# Altium PCB MB1605.PcbDoc (part 9 of 11)
Units mm, origin at the board's own origin, x right, y up, seen from the top; angles counter-clockwise.
Board outline 100 x 79.6 mm, 6 copper layers (Top Layer, Signal Layer 1, Signal Layer 2, Signal Layer 3, Signal Layer 4, Bottom Layer), stack 1.549 mm thick; 644 components, 529 nets, 2853 pads, 1462 vias.
Unrouted connection lines stored in the file: 2.
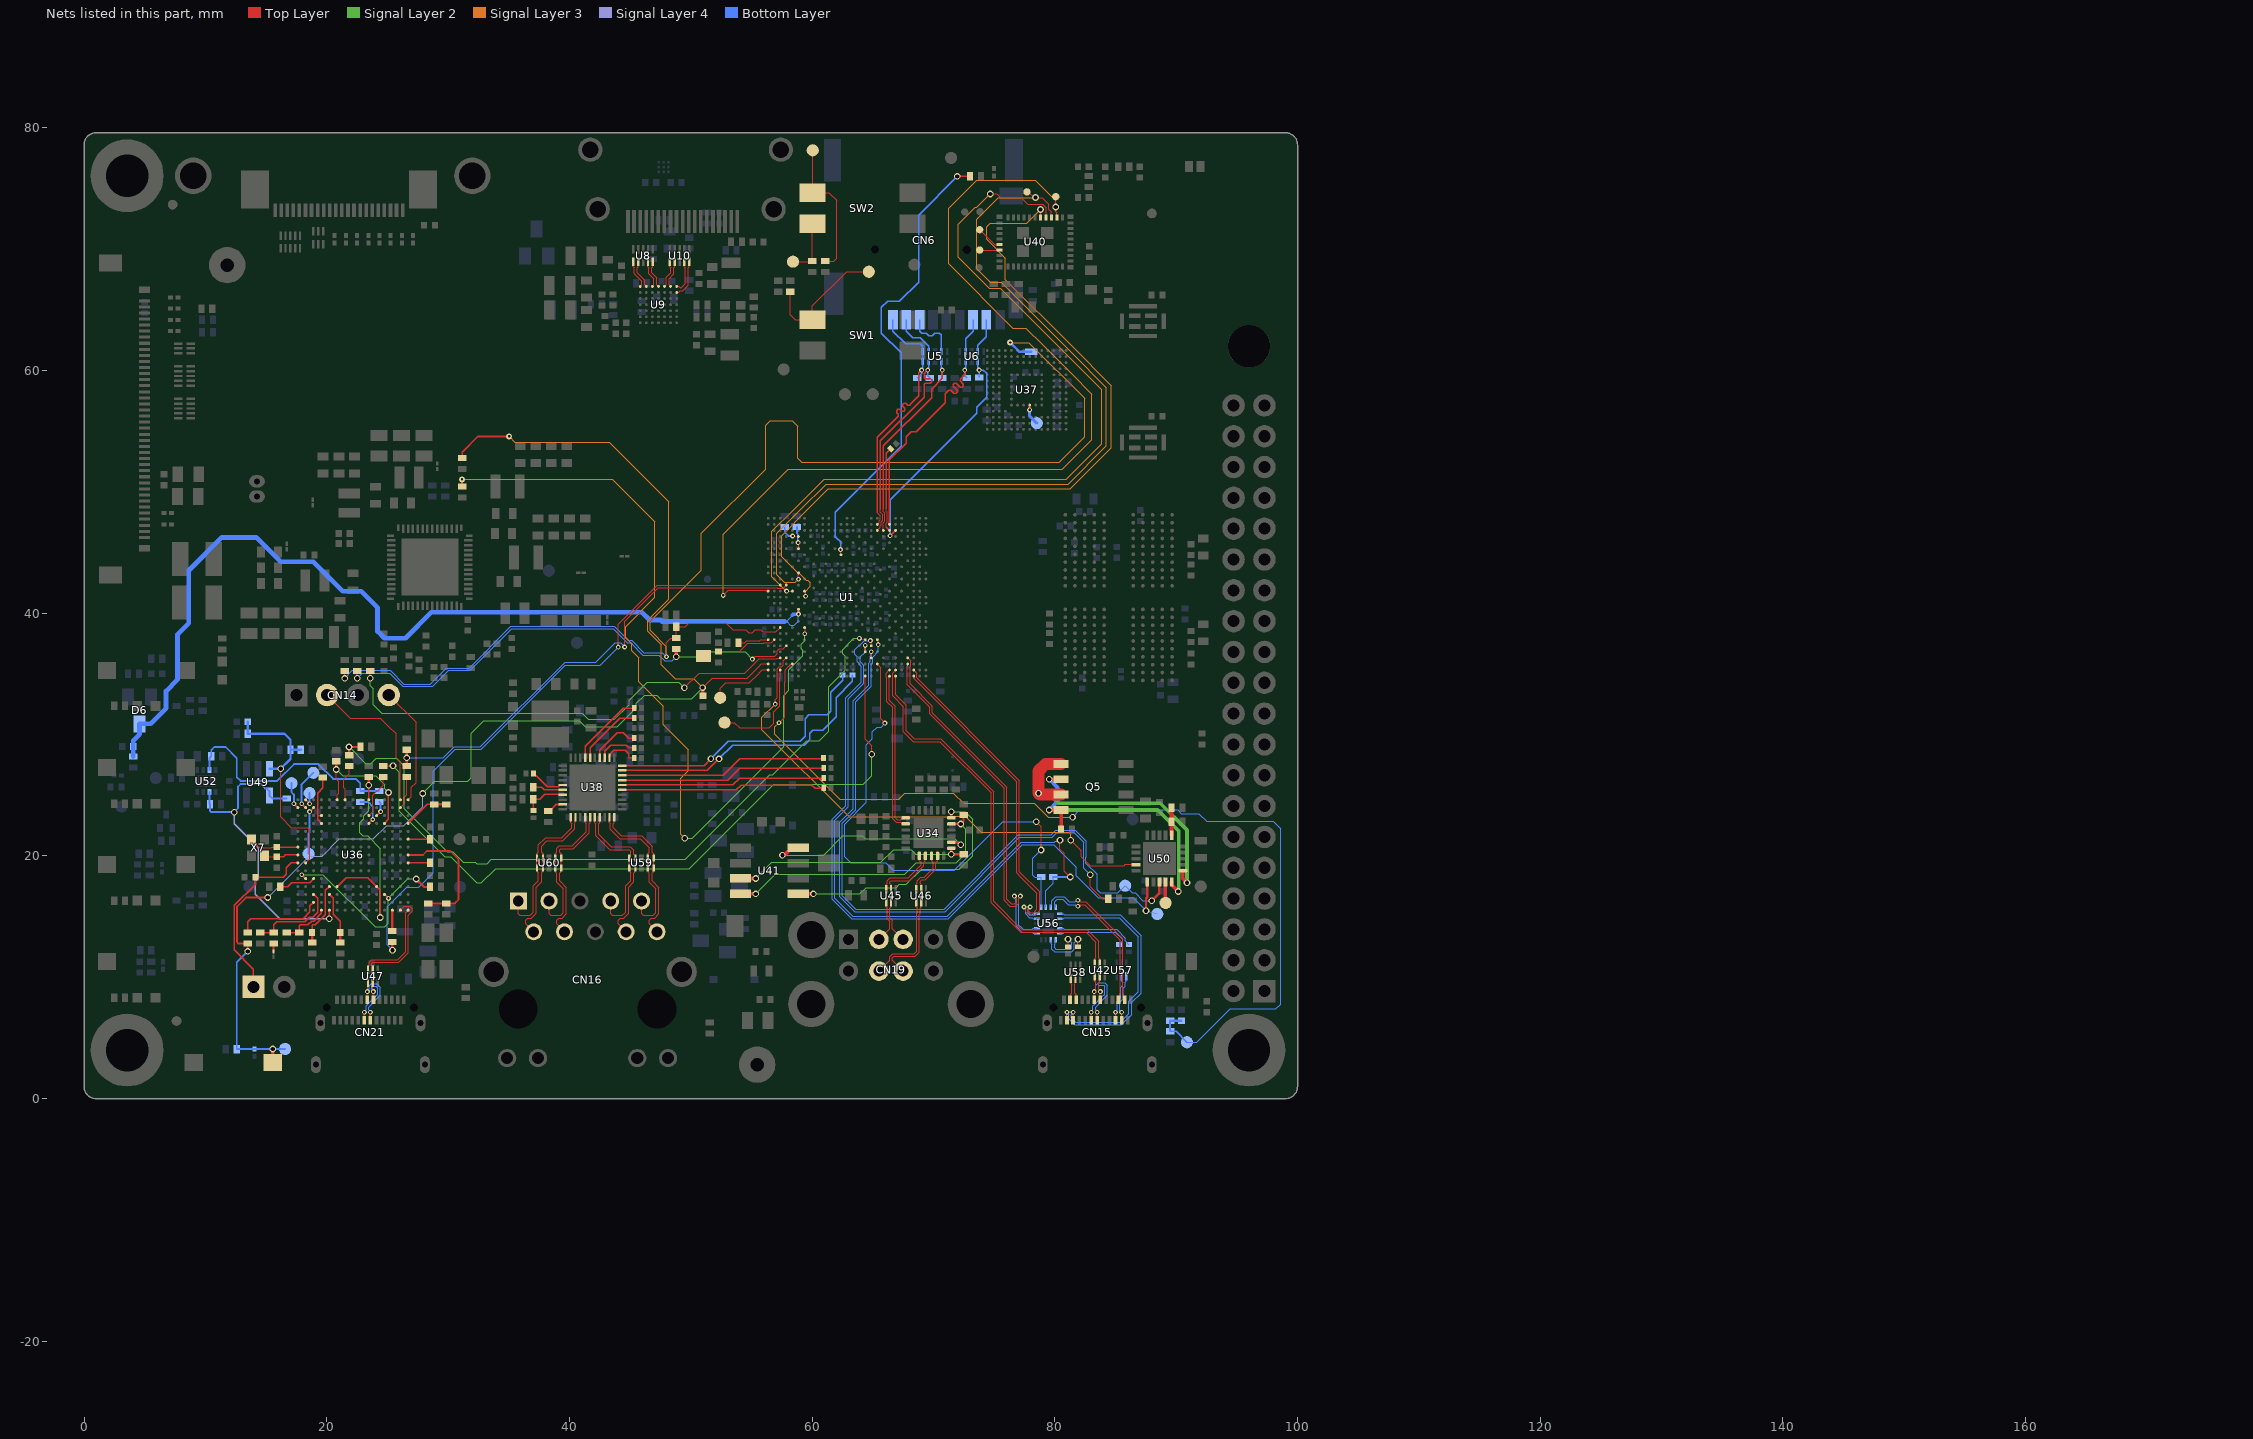
[diagram p13: the nets of this part, all layers, seen from the top]

## Via types
v1: diameter 0.55, hole 0.35, Top Layer to Bottom Layer, 823 vias
v2: diameter 0.4, hole 0.2, Top Layer to Bottom Layer, 235 vias
v3: diameter 0.4, hole 0.2, Top Layer to Bottom Layer, tented both sides, 216 vias
v4: diameter 0.5, hole 0.2, Top Layer to Bottom Layer, 159 vias
v5: diameter 0.25/0.3 (per signal layer), hole 0.1, Top Layer to Signal Layer 1, tented both sides, 29 vias

## Nets (pads, with @x,y where several pads share a name; then routed paths per layer and width w, separated by ;. In a path a pad name is that pad's centre, name@x,y a point inside that pad or via, vN(x,y) a via of type N, cw(c..) or ccw(c..) an arc to the next point about the centre after c; other vN are vias at no path point) (continued)
NetR121_2: R121.2 U38.24 | length 4.2
  Top Layer w0.11: U38.24@42.5,28.1 42.5,28.725 43.925,30.15 44.45,30.15 44.88,29.72 R121.2@45.345,29.72
NetR122_1: R122.1 SW1.3 TP24.1 | length 10.8
  Top Layer w0.1: R122.1@58.2,66.5 58.2,64.618 58.623,64.195 SW1.3@60.025,64.195 60.025,65.335 62.833,68.143 TP24.1@64.675,68.143
NetR123_1: R123.1 SW2.3 TP44.1 | length 11.5
  Top Layer w0.1: TP44.1@60.05,78.15 60.05,74.67 SW2.3@60.025,74.645 61.38,74.645 62.01,74.015 62.01,69.259 61.776,69.025 R123.1@61.1,69.025
NetR124_1: R124.1 SW2.4 TP31.1 | length 4.7
  Top Layer w0.1: TP31.1@58.425,68.975 59.975,68.975 R124.1@60.025,69.025 SW2.4@60.025,72.105
NetR147_2: R147.2 U38.23 | length 3.3
  Top Layer w0.11: U38.23@42.9,28.1 42.9,28.625 43.4,29.125 44.7,29.125 44.927,28.898 R147.2@45.345,28.898
NetR148_2: R148.2 U38.22 | length 2.9
  Top Layer w0.11: U38.22@43.3,28.1 43.3,28.35 43.345,28.395 43.381,28.395 43.445,28.459 43.445,28.514 43.636,28.705 44.147,28.705 44.595,28.705 44.868,28.432 44.868,28.146 44.933,28.082 45.327,28.082 R148.2@45.344,28.065
NetR149_2: R149.2 U38.27 | length 6.3
  Top Layer w0.11: U38.27@41.3,28.1 41.3,29.05 44.435,32.185 R149.2@45.345,32.185
NetR150_2: R150.2 U38.26 | length 5.5
  Top Layer w0.11: U38.26@41.7,28.1 41.7,28.925 44.14,31.365 R150.2@45.345,31.365
NetR155_2: R155.2 U36.B14 | length 2.7
  Top Layer w0.1: U36.B14@26.065,23.982 26.39,24.307 26.39,24.832 26.59,25.032 R155.2@26.59,26.507
NetR156_1: R156.1 U36.C4 U36.D4 | length 4.4
  Top Layer w0.12: U36.D4@19.565,22.682 19.24,23.007 19.24,23.332 ; U36.C4@19.565,23.332 19.24,23.332 ; R156.1@19.69,26.457 19.69,25.607 19.24,25.157 19.24,23.332
NetR161_2: R161.2 U38.20 | length 23.3
  Top Layer w0.11: U38.20@44.35,27.45 51.099,27.45 v1(51.656,28.007)
  Bottom Layer w0.11: v1(51.656,28.007) 53.099,29.449 59.037,29.449 59.434,29.846 59.434,31.012 59.426,31.02 59.426,31.326 59.723,31.623 61.229,31.623 61.525,31.919 61.525,33.498 62.506,34.479 R161.2@62.506,34.925
NetR164_2: R164.2 U38.19 | length 23.8
  Top Layer w0.11: U38.19@44.35,27.05 51.374,27.05 v1(52.322,27.998)
  Bottom Layer w0.11: v1(52.322,27.998) 53.449,29.125 59.331,29.125 59.784,29.578 59.784,30.104 60.055,30.375 60.888,30.375 61.981,31.469 61.981,33.039 63.319,34.377 R164.2@63.319,34.925
NetR167_2: R167.2 U38.18 | length 17.2
  Top Layer w0.11: U38.18@44.35,26.65 46.627,26.65 52.666,26.65 54.023,28.007 60.887,28.007 R167.2@60.945,28.065
NetR173_2: R173.2 U38.17 | length 17
  Top Layer w0.11: U38.17@44.35,26.25 53.044,26.25 54.034,27.24 R173.2@60.96,27.24
NetR176_2: R176.2 U38.35 | length 3
  Top Layer w0.11: R176.2@37.025,26.8 37.025,26.75 37.17,26.605 37.256,26.605 38.156,25.705 39.091,25.705 39.155,25.769 39.155,25.805 39.2,25.85 U38.35@39.45,25.85
NetR178_2: R178.2 U38.16 | length 16.8
  Top Layer w0.11: U38.16@44.35,25.85 53.462,25.85 54.027,26.415 R178.2@60.96,26.415
NetR181_1: R181.1 U36.F15 | length 1.8
  Top Layer w0.12: U36.F15@26.715,21.382 R181.1@28.515,21.382
NetR182_2: R182.2 U38.36 | length 2.5
  Top Layer w0.11: R182.2@37.025,25.675 37.7,25.675 37.925,25.45 U38.36@39.45,25.45
NetR185_2: R185.2 U38.15 | length 16.9
  Top Layer w0.11: U38.15@44.35,25.45 53.752,25.45 54.149,25.847 59.983,25.847 60.24,25.59 R185.2@60.96,25.59
NetR188_2: R188.2 R196.2 U38.37 | length 4.5
  Top Layer w0.11: U38.37@39.45,25.05 39.45,25.08 37.955,25.08 37.55,24.675 R188.2@37.025,24.675 ; R188.2@37.025,24.675 R196.2@37.025,23.75 R188.2@37.025,24.675
NetR194_1: R194.1 U36.J15 | length 1.8
  Top Layer w0.12: U36.J15@26.715,19.432 R194.1@28.515,19.432
NetR199_1: R199.1 U38.39 | length 1.4
  Top Layer w0.15: R199.1@38.275,23.7 38.37,23.7 38.92,24.25 U38.39@39.45,24.25
NetR211_2: R211.2 U36.R13 | length 1.7
  Top Layer w0.2: R211.2@25.415,13.812 U36.R13@25.415,15.532
NetR212_1: R212.1 U36.P3 | length 7.3
  Top Layer w0.12: R212.1@13.49,13.682 13.49,14.582 13.74,14.832 18.05,14.832 18.615,15.397 18.615,15.882 U36.P3@18.915,16.182
NetR231_1: R231.1 R232.2 U50.11 | length 2.3
  Top Layer w0.3: U50.11@89.613,21.723 89.613,22.848 R232.2@89.613,24.003
NetR240_1: R240.1 R241.1 R242.1 U52.7 | length 19.6
  Bottom Layer w0.15: U52.7@10.336,27.077 10.336,28.067 R242.1@10.486,28.217 10.486,28.723 10.745,28.982 11.665,28.982 12.586,28.061 12.586,26.503 12.904,26.186 15.912,26.186 17.302,27.575 19.3,27.575 20.521,26.354 22.393,26.354 22.765,25.982 R241.1@22.765,25.35 R240.1@24.335,25.35
NetR250_1: R250.1 U1.D6 | length 1.7
  Top Layer w0.1: v3(58.396,46.369) U1.D6@58.875,46.325
  Bottom Layer w0.15: R250.1@57.744,47.12 57.744,46.681 58.055,46.369 v3(58.396,46.369)
NetR251_1: R251.1 U1.F6 | length 1.8
  Top Layer w0.1: v3(58.85,45.825) U1.F6@58.875,45.325
  Bottom Layer w0.15: R251.1@58.751,47.12 58.751,46.59 58.81,46.531 58.81,45.865 v3(58.85,45.825)
NetTP12_1: TP12.1 U1.AF1 | length 5.4
  Top Layer w0.09: 55.625,35.07 55.645,35.09 55.652,35.09 55.887,35.325 U1.AF1@56.375,35.325
  Top Layer w0.1: TP12.1@52.427,33.031 52.427,33.809 52.875,34.258 54.813,34.258 55.625,35.07
NetTP14_1: TP14.1 U40.18 | length 1.6
  Top Layer w0.1: TP14.1@73.81,69.925 U40.18@75.45,69.925
NetTP20_1: TP20.1 U40.17 | length 2.2
  Top Layer w0.1: TP20.1@73.81,71.607 75.042,70.375 U40.17@75.45,70.375
NetTP21_1: TP21.1 U37.H5 | length 1.7
  Top Layer w0.15: v2(77.925,56.755) U37.H5@77.925,57.155
  Bottom Layer w0.25: v2(77.925,56.755) 77.925,56.256 TP21.1@78.516,55.665
NetTP26_1: TP26.1 U36.B2 | length 3.4
  Top Layer w0.15: v3(17.94,24.307) U36.B2@18.265,23.982
  Bottom Layer w0.15: v3(17.94,24.307) 17.915,24.332 17.915,25.865 TP26.1@18.9,26.85
NetTP27_1: TP27.1 U36.B3 | length 4
  Top Layer w0.15: v3(18.59,23.657) U36.B3@18.915,23.982
  Bottom Layer w0.15: TP27.1@18.505,20.182 18.505,21.877 18.59,21.962 v3(18.59,23.657)
NetTP28_1: TP28.1 U36.B1 | length 2.2
  Top Layer w0.15: v3(17.29,24.307) U36.B1@17.615,23.982
  Bottom Layer w0.15: TP28.1@17.098,26 17.098,25.25 17.29,25.057 v3(17.29,24.307)
NetTP29_1: TP29.1 U36.A2 | length 1.3
  Top Layer w0.15: U36.A2@18.265,24.632 v3(18.59,24.307)
  Bottom Layer w0.15: v3(18.59,24.307) TP29.1@18.59,25.182
NetTP38_1: TP38.1 U50.4 | length 1.7
  Top Layer w0.3: TP38.1@89.113,16.144 U50.4@89.113,17.873
NJTRST: TP42.1 U1.AF3 | length 9
  Top Layer w0.09: 57.325,34.075 57.325,34.605 57.375,34.655 U1.AF3@57.375,35.325
  Top Layer w0.1: TP42.1@52.78,30.993 53.598,30.993 54.023,30.568 56.469,30.568 56.837,30.936 56.837,31.895 57.325,32.383 57.325,34.075
NRST: B1.1 C33.2 R33.1 R81.1 R212.2 TP22.1 U1.AE1 U15.1 | length 113.5
  Top Layer w0.09: 55.625,35.636 55.814,35.825 U1.AE1@56.375,35.825
  Top Layer w0.1: C33.2@50.975,33.225 C33.2@51,33.2 ; v1(50.975,33.875) 51.758,34.658 54.647,34.658 55.625,35.636
  Top Layer w0.15: v1(13.49,12.137) R212.2@13.49,12.782 12.723,12.782 12.609,12.896 12.609,15.828 13.356,16.575 v1(15.137,16.575) ; R81.1@31.163,52.798 31.163,53.273 32.465,54.575 v4(35.025,54.575)
  Top Layer w0.3: B1.1@15.549,2.979 v1(15.549,4.09) ; C33.2@50.975,33.225 v1(50.975,33.875)
  Signal Layer 2 w0.1: v1(27.92,25.15) 28.92,26.15 31.601,26.15 31.9,26.449 31.9,30.121 32.924,31.145 40.789,31.145 41.284,30.65 43.949,30.65 45.514,32.216 45.514,32.586 46.19,33.261 47.201,33.261 47.49,32.972 50.072,32.972 v1(50.975,33.875)
  Signal Layer 3 w0.1: v4(35.025,54.575) 35.502,54.098 43.277,54.098 48.175,49.2 48.175,41.14 46.442,39.407 46.442,38.529 47.554,37.417 47.554,35.752 48.721,34.586 50.264,34.586 v1(50.975,33.875)
  Signal Layer 4 w0.1: v1(15.137,16.575) 18.553,19.991 19.629,19.991 21.045,21.407 23.829,21.407 24.929,22.507 26.353,22.507 27.92,24.074 v1(27.92,25.15)
  Bottom Layer w0.15: v1(13.49,12.137) 12.586,11.233 R33.1@12.586,4.09 U15.1@14.062,4.09 v1(15.549,4.09) TP22.1@16.565,4.09
NRSTC1MS: D7.2 R27.1 R59.1 R272.1 U1.W3 | length 110.3
  Top Layer w0.09: 56.11,38.46 57.01,38.46 U1.W3@57.375,38.825
  Top Layer w0.1: R59.1@21.48,35.245 21.488,35.237 v1(21.488,34.633) ; v2(47.997,36.42) 47.997,37.566 48.363,37.932 48.782,37.932 R272.1@48.805,37.955 R27.1@48.805,38.872 48.805,38.904 49.542,38.904 49.831,39.194 49.936,39.194 49.938,39.192 50.559,39.192 50.561,39.194 52.93,39.194 53.474,38.65 54.531,38.65 54.787,38.394 55.077,38.394 55.319,38.635 55.764,38.635 55.939,38.46 56.11,38.46
  Signal Layer 3 w0.1: v2(47.997,36.42) 47.997,37.257 46.642,38.611 46.642,39.324 49.196,41.878 49.204,41.878 50.883,43.557 50.883,46.589 56.169,51.875 56.169,55.485 56.534,55.85 58.361,55.85 58.797,55.414 58.797,52.793 59.141,52.45 80.367,52.45 82.45,54.533 82.45,57.701 77.84,62.311 v4(76.32,62.311)
  Bottom Layer w0.1: v1(21.488,34.633) 21.488,34.653 22.123,35.288 25.217,35.288 26.335,34.17 28.515,34.17 29.833,35.488 31.724,35.488 35.146,38.91 43.695,38.91 44.83,37.775 45.122,37.775 46.138,36.759 47.658,36.759 v2(47.997,36.42)
  Bottom Layer w0.2: v4(76.32,62.311) 77.068,61.563 D7.2@78.055,61.563
OSC32_IN: C86.1 U1.AA2 X1.2 | length 6.4
  Top Layer w0.09: 55.625,37.525 56,37.525 56.05,37.575 56.625,37.575 U1.AA2@56.875,37.825
  Top Layer w0.1: X1.2@51.059,36.475 51.434,36.85 53.271,36.85 53.296,36.875 54.052,36.875 54.702,37.525 55.625,37.525
OSC32_OUT: R64.1 U1.AA1 | length 2.5
  Top Layer w0.09: 56.05,37.825 U1.AA1@56.375,37.825
  Top Layer w0.1: R64.1@53.935,37.575 54.436,37.575 54.597,37.735 55.695,37.735 55.784,37.825 56.05,37.825
PMIC_WAKEUPn: R46.1 U1.W7 | length 69.4
  Top Layer w0.09: U1.W7@59.375,38.825 v3(59.387,38.317)
  Top Layer w0.15: R46.1@31.15,50.448 v4(31.15,51.033)
  Signal Layer 2 w0.1: v1(49.5,21.45) 50.111,21.45 57.646,28.985 57.646,33.218 58.075,33.647 58.075,35.343 59.225,36.493 59.225,36.97 59.119,37.076 59.119,37.455 59.387,37.722 v3(59.387,38.317)
  Signal Layer 3 w0.1: v4(31.15,51.033) 43.548,51.033 47.028,47.553 47.028,41.303 44.625,38.9 44.625,37.98 45.132,37.473 45.132,36.893 45.698,36.327 45.698,34.356 47.715,32.34 47.715,30.826 49.774,28.767 49.774,27.012 49.175,26.413 49.175,21.775 v1(49.5,21.45)
PWR_CPU_ON: R60.1 R272.2 U1.AB4 | length 41.5
  Top Layer w0.09: 55.625,36.455 56.215,36.455 56.22,36.46 56.93,36.46 57.125,36.655 57.125,36.929 57.271,37.075 57.625,37.075 U1.AB4@57.875,37.325
  Top Layer w0.095: 55.57,36.455 55.625,36.455
  Top Layer w0.1: v1(22.514,34.64) 22.514,35.229 R60.1@22.53,35.245 ; v2(55.077,36.225) 55.307,36.455 55.57,36.455
  Top Layer w0.3: v1@48.805,36.419 R272.2@48.805,37.055
  Signal Layer 2 w0.1: v1(48.806,36.417) 51.182,36.417 51.598,36.834 54.469,36.834 v2(55.077,36.225)
  Bottom Layer w0.1: v1(22.514,34.64) 22.944,35.07 23.756,35.07 23.781,35.045 25.177,35.045 26.252,33.97 28.742,33.97 30.06,35.288 31.807,35.288 35.229,38.71 43.612,38.71 44.747,37.575 45.039,37.575 46.055,36.559 47.363,36.559 47.852,36.07 48.459,36.07 v1(48.806,36.417)
PWR_ON: R61.1 U1.AD3 | length 39.6
  Top Layer w0.09: 56.084,36.26 57.09,36.26 57.128,36.298 57.348,36.298 U1.AD3@57.375,36.325
  Top Layer w0.1: v1(23.58,34.64) R61.1@23.58,35.245 ; v1(49.475,33.855) 50.678,35.058 54.455,35.058 55.657,36.26 56.084,36.26
  Signal Layer 2 w0.1: v1(23.58,34.64) 23.58,34.015 23.824,33.771 23.824,32.458 24.537,31.745 41.037,31.745 41.532,31.25 43.7,31.25 44.914,32.464 44.914,32.834 46.397,34.317 49.013,34.317 v1(49.475,33.855)
RJ452_D1_N: CN16.2 U38.2 U60.4 U60.7 | length 12.5
  Top Layer w0.09: CN16.2@37.055,13.75 36.4,14.405 36.4,14.695 36.577,14.872 36.856,14.872 37.26,15.276 37.26,17.432 37.7,17.872 37.7,18.597 37.77,18.667 37.77,18.957 U60.7@37.825,19.012 U60.4@37.825,19.832 37.825,20.167 37.7,20.292 37.7,20.815 38.145,21.26 39.46,21.26 40.425,22.225 40.425,22.65 40.5,22.725 U38.2@40.5,23.2
RJ452_D1_P: CN16.1 U38.1 U60.5 U60.6 | length 12.5
  Top Layer w0.09: CN16.1@35.785,16.29 35.785,15.245 35.908,15.122 36.752,15.122 37.01,15.38 37.01,17.536 37.45,17.976 37.45,18.597 37.38,18.667 37.38,18.957 U60.6@37.325,19.012 U60.5@37.325,19.832 37.325,20.167 37.45,20.292 37.45,20.919 38.041,21.51 39.356,21.51 40.175,22.329 40.175,22.65 40.1,22.725 U38.1@40.1,23.2
RJ452_D2_N: CN16.4 U38.5 U60.1 U60.10 | length 12.2
  Top Layer w0.09: CN16.4@39.595,13.75 38.94,14.405 38.94,14.695 39.117,14.872 39.396,14.872 39.75,15.226 39.75,17.389 39.2,17.939 39.2,18.597 39.27,18.667 39.27,18.957 U60.10@39.325,19.012 U60.1@39.325,19.832 39.325,20.167 39.2,20.292 39.2,20.529 39.27,20.599 40.329,20.599 41.625,21.895 41.625,22.65 41.7,22.725 U38.5@41.7,23.2
RJ452_D2_P: CN16.3 U38.4 U60.2 U60.9 | length 12.2
  Top Layer w0.09: CN16.3@38.325,16.29 38.325,15.245 38.448,15.122 39.292,15.122 39.5,15.33 39.5,17.285 38.95,17.835 38.95,18.597 38.88,18.667 38.88,18.957 U60.9@38.825,19.012 U60.2@38.825,19.832 38.825,20.167 38.95,20.292 38.95,20.632 39.166,20.849 40.225,20.849 41.375,21.999 41.375,22.65 41.3,22.725 U38.4@41.3,23.2
RJ452_D3_N: CN16.8 U38.7 U59.4 U59.7 | length 12.7
  Top Layer w0.09: U38.7@42.5,23.2 42.5,22.725 42.425,22.65 42.425,21.779 43.445,20.759 45.014,20.759 45.32,20.452 45.32,20.13 45.373,20.077 45.39,20.077 45.445,20.022 U59.7@45.445,19.012 45.39,18.957 45.39,18.667 45.32,18.597 45.32,17.872 44.88,17.432 44.88,15.276 44.476,14.872 44.197,14.872 44.02,14.695 44.02,14.405 CN16.8@44.675,13.75
RJ452_D3_P: CN16.7 U38.6 U59.5 U59.6 | length 12.7
  Top Layer w0.09: U38.6@42.1,23.2 42.1,22.725 42.175,22.65 42.175,21.675 43.341,20.509 44.91,20.509 45.07,20.349 45.07,20.13 45.017,20.077 45,20.077 44.945,20.022 U59.6@44.945,19.012 45,18.957 45,18.667 45.07,18.597 45.07,17.976 44.63,17.536 44.63,15.38 44.372,15.122 43.528,15.122 43.405,15.245 CN16.7@43.405,16.29
RJ452_D4_N: CN16.10 U38.10 U59.1 U59.10 | length 12.9
  Top Layer w0.09: U38.10@43.7,23.2 43.7,22.725 43.625,22.65 43.625,22.307 44.269,21.663 45.942,21.663 46.82,20.785 46.82,20.292 46.945,20.167 U59.1@46.945,19.832 U59.10@46.945,19.012 46.89,18.957 46.89,18.667 46.82,18.597 46.82,17.939 47.37,17.389 47.37,15.226 47.016,14.872 46.737,14.872 46.56,14.695 46.56,14.405 CN16.10@47.215,13.75
RJ452_D4_P: CN16.9 U38.9 U59.2 U59.9 | length 12.9
  Top Layer w0.09: U38.9@43.3,23.2 43.3,22.725 43.375,22.65 43.375,22.204 44.165,21.413 45.838,21.413 46.57,20.681 46.57,20.292 46.445,20.167 U59.2@46.445,19.832 U59.9@46.445,19.012 46.5,18.957 46.5,18.667 46.57,18.597 46.57,17.835 47.12,17.285 47.12,15.33 46.912,15.122 46.068,15.122 45.945,15.245 CN16.9@45.945,16.29
RX1_N: CN15.B10 U56.11 | length 20.2
  Top Layer w0.1: CN15.B10@81.5,6.46 v2(81.5,7.12)
  Bottom Layer w0.1: U56.11@80.408,14.836 80.698,14.836 80.788,14.926 85.299,14.926 86.882,13.343 86.882,8.793 86.111,8.023 86.111,7.01 85.392,6.291 84.25,6.291 81.726,6.291 81.629,6.388 81.36,6.657 81.36,6.911 81.5,7.051 v2(81.5,7.12)
RX1_P: CN15.B11 U56.10 | length 21.3
  Top Layer w0.1: CN15.B11@81,6.46 v2(81,7.12)
  Bottom Layer w0.1: U56.10@80.408,15.236 80.698,15.236 80.788,15.146 85.39,15.146 87.102,13.434 87.102,8.702 86.331,7.931 86.331,6.919 85.483,6.071 81.634,6.071 81.14,6.565 81.14,6.911 81,7.051 v2(81,7.12)
RX2_N: CN15.A10 U56.9 | length 12.4
  Top Layer w0.1: v2(81.9,15.852) 81.969,15.852 82.109,15.992 82.471,15.992 85.396,13.067 85.396,13.005 85.396,10.581 85.396,8.684 85.35,8.638 85.35,8.26 CN15.A10@85.25,8.16
  Bottom Layer w0.1: U56.9@80.068,15.776 80.068,15.916 79.978,16.006 79.978,16.214 80.18,16.416 80.67,16.416 81.094,15.992 81.691,15.992 81.831,15.852 v2(81.9,15.852)
RX2_P: CN15.A11 U56.8 | length 13.2
  Top Layer w0.1: v2(81.9,16.352) 81.969,16.352 82.109,16.212 82.562,16.212 85.616,13.158 85.616,8.689 85.65,8.655 85.65,8.26 CN15.A11@85.75,8.16
  Bottom Layer w0.1: U56.8@79.668,15.776 79.668,15.916 79.758,16.006 79.758,16.305 80.089,16.636 80.761,16.636 81.185,16.212 81.691,16.212 81.831,16.352 v2(81.9,16.352)
SD.SDMMC1_CK: R9.1 U1.C21 | length 7
  Top Layer w0.09: 66.115,47.085 66.115,47.434 66.175,47.494 66.175,48.356 66.125,48.406 66.125,48.575 66.125,48.615
  Top Layer w0.11: 66.115,47.085 U1.C21@66.375,46.825 ; 66.125,48.615 66.125,53.197 R9.1@66.49,53.562
SD.SDMMC1_CMD: CN6.3 R37.1 U1.C20 U5.4 U5.7 | length 21.9
  Top Layer w0.09: U1.C20@65.875,46.825 65.875,47.462 65.985,47.572 65.985,48.267 65.875,48.377 65.875,48.575
  Top Layer w0.11: 65.875,48.575 65.875,53.79 69.841,57.756 69.841,58.466 70.725,59.35 v2(70.725,60.042)
  Bottom Layer w0.11: CN6.3@68.86,64.175 68.86,63.24 69.013,63.087 69.417,63.087 69.626,62.877 69.897,62.877 70.106,63.087 70.491,63.087 70.625,62.952 U5.4@70.625,61.582 U5.7@70.625,60.762 70.625,60.142 v2(70.725,60.042) R37.1@70.725,59.393
SD.SDMMC1_D0: CN6.7 R38.1 U1.B21 U6.2 U6.9 | length 22.7
  Top Layer w0.11: U1.B21@66.375,47.325 66.375,52.65 67.75,54.025 67.75,54.538 68.162,54.95 68.57,54.95 70.976,57.356 70.976,58.076 71.272,58.372 71.426,58.372 71.686,58.112 71.841,58.112 71.944,58.215 71.944,58.369 71.617,58.696 71.617,58.85 71.72,58.953 71.875,58.953 72.201,58.627 72.356,58.627 72.459,58.73 72.459,58.884 72.199,59.144 72.199,59.299 72.406,59.506 72.577,59.677 v2(72.577,60.042)
  Bottom Layer w0.11: R38.1@72.75,59.393 72.577,59.566 v2(72.577,60.042) 72.654,60.12 U6.9@72.654,60.762 U6.2@72.654,61.582 72.654,62.629 73.26,63.235 CN6.7@73.26,64.175
SD.SDMMC1_D1: CN6.8 R39.1 U1.C22 U6.4 U6.7 | length 23.1
  Top Layer w0.11: v3(66.43,46.389) U1.C22@66.875,46.825
  Bottom Layer w0.11: v3(66.43,46.389) 66.43,49.352 73.554,56.476 73.554,56.996 74.375,57.816 74.375,59.775 74.108,60.042 v2(73.754,60.042) ; R39.1@73.754,59.43 v2(73.754,60.042) ; CN6.8@74.36,64.175 74.36,62.8 73.654,62.094 U6.4@73.654,61.582 U6.7@73.654,60.762 73.654,60.142 v2(73.754,60.042)
SD.SDMMC1_D2: CN6.1 R35.1 U1.B19 U5.1 U5.10 | length 22.4
  Top Layer w0.09: U1.B19@65.375,47.325 65.515,47.465 65.515,47.611 65.625,47.721 65.625,48.015 65.375,48.265
  Top Layer w0.11: 65.375,48.265 65.375,54.493 67.076,56.194 67.115,56.233 67.115,56.388 66.961,56.541 66.961,56.695 67.064,56.798 67.218,56.798 67.377,56.639 67.532,56.639 67.635,56.742 67.635,56.897 67.476,57.056 67.476,57.21 67.579,57.313 67.733,57.313 67.887,57.16 68.041,57.16 68.179,57.298 68.8,57.918 68.8,59.761 68.8,59.826 v2(69.016,60.042)
  Bottom Layer w0.11: CN6.1@66.66,64.175 66.66,63.24 67.698,62.202 68.919,62.202 69.125,61.996 U5.1@69.125,61.582 U5.10@69.125,60.762 69.125,60.151 v2(69.016,60.042) v2(69.016,60.042) 69.015,59.747 68.956,59.688 68.956,59.593 68.756,59.393 R35.1@68.661,59.393
SD.SDMMC1_D3: CN6.2 R36.1 U1.C19 U5.2 U5.9 | length 22.1
  Top Layer w0.09: U1.C19@65.375,46.825 65.625,47.075 65.625,47.229 65.695,47.299 65.695,47.537 65.805,47.647 65.805,48.166 65.63,48.342 65.63,48.575
  Top Layer w0.11: 65.63,48.575 65.63,54.198 69.225,57.793 69.225,58.443 69.225,58.862 69.334,58.972 69.752,58.972 69.861,59.081 69.861,59.226 69.752,59.336 69.334,59.336 69.225,59.445 69.225,59.742 69.504,60.021 v2(69.525,60.042)
  Bottom Layer w0.11: CN6.2@67.76,64.175 67.76,63.247 68.308,62.698 68.929,62.698 69.625,62.002 U5.2@69.625,61.582 U5.9@69.625,60.762 69.625,60.142 v2(69.525,60.042) 69.525,59.568 R36.1@69.7,59.393